# Altium PCB PCB_H-bridge.PcbDoc (continued)
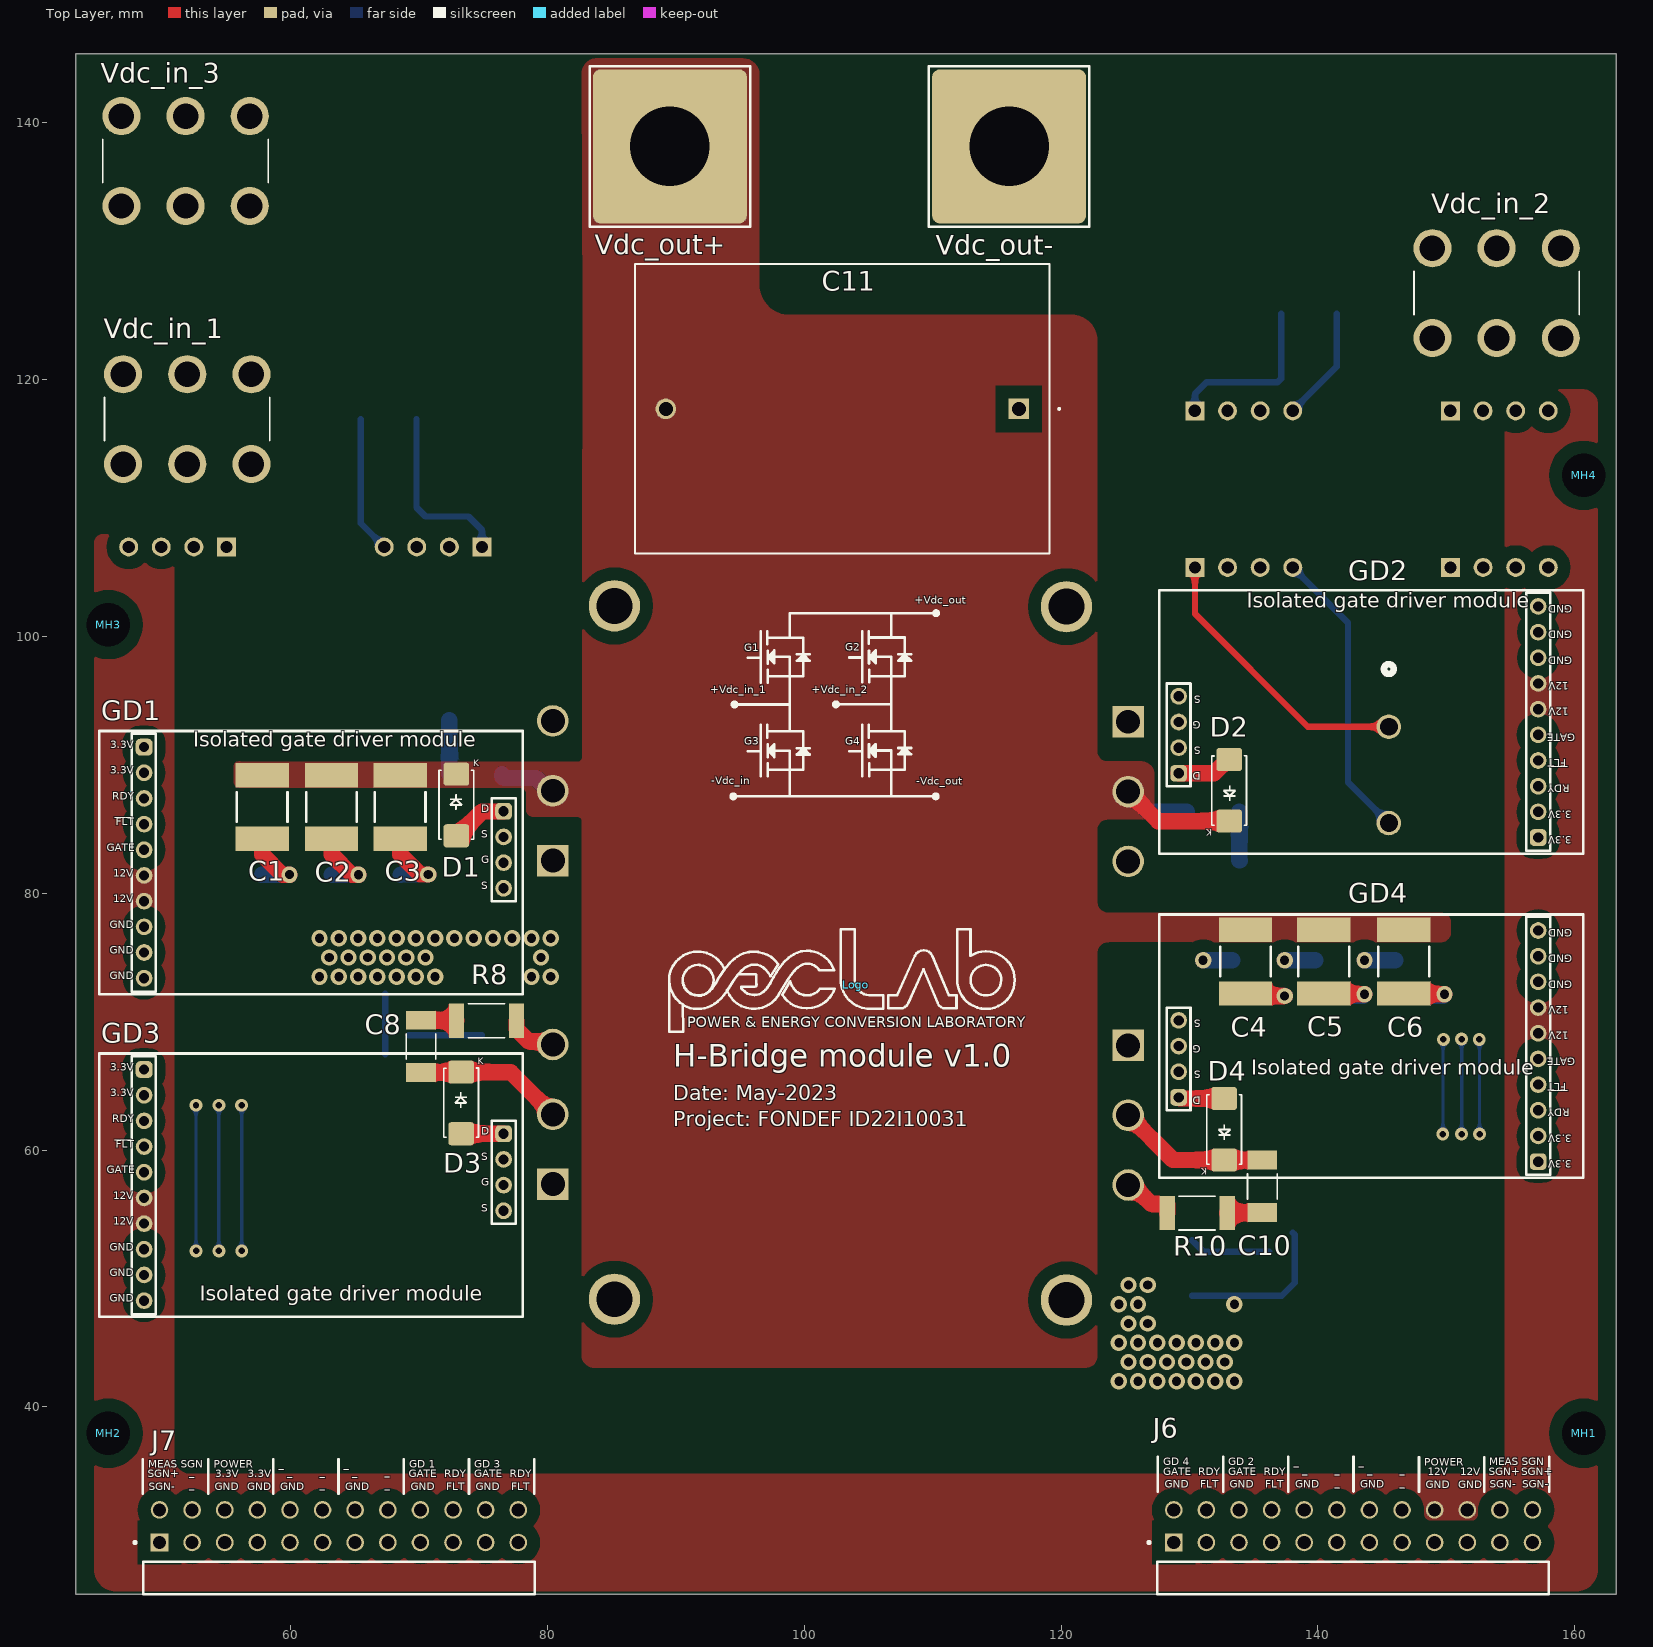
[diagram p0: Top Layer view]
## Components (designator, comment, footprint, x,y, rotation, side; value= is the part's Value field where it differs from the comment) (continued)
FAN "Mech_Fan_60X60" FAN 104.14,45.466 r0 bottom value="Fan 60x60"
GD1 "Isolated gate driver module" CON_ISOLATED_GATE_DRIVER_MODULE 45.081,72.141 r0 top
GD2 "Isolated gate driver module" CON_ISOLATED_GATE_DRIVER_MODULE 160.659,103.595 r180 top
GD3 "Isolated gate driver module" CON_ISOLATED_GATE_DRIVER_MODULE 45.081,47.027 r0 top
GD4 "Isolated gate driver module" CON_ISOLATED_GATE_DRIVER_MODULE 160.659,78.354 r180 top
J1 "CONUFL001-SMD-T" LINX_CONUFL001-SMD-T 67.35,68.95 r270 bottom
J2 "CONUFL001-SMD-T" LINX_CONUFL001-SMD-T 138.05,52.1 r90 bottom
J4 "1766660" CONN_1766660 145.525,85.475 r270 bottom
J6 "TSW-112-08-G-D-NA" SAMTEC_TSW-112-08-G-D-NA 142.748,26.67 r0 top
J7 "TSW-112-08-G-D-NA" SAMTEC_TSW-112-08-G-D-NA 63.754,26.67 r0 top
"LEG 1" "MOSFET_SINK" MOSFET-TO247_LEG_1 85.217,48.387 r90 bottom
"LEG 2" "MOSFET_SINK" MOSFET-TO247_LEG_2 120.422,102.323 r270 bottom
Logo "LOGO PECLAB" "LOGO PECLAB 2" 104.013,72.898 r0 top
Med_Cin1 "Volt_meas_board" Volt_meas_board 62.1,108.575 r180 bottom value=2.54mm
Med_Cin2 "Volt_meas_board" Volt_meas_board 143.225,115.975 r0 bottom value=2.54mm
Med_Voltaje "Volt_meas_board" Volt_meas_board 143.229,103.78 r0 bottom value=2.54mm
MH1 "MH_3.4" MH_3.4#1 160.525,28 r0 top
MH2 "MH_3.4" MH_3.4#2 45.8,27.95 r0 top
MH3 "MH_3.4" MH_3.4#3 45.8,100.925 r0 top
MH4 "MH_3.4" MH_3.4#4 160.7,110.65 r0 top
R1 "RL1632R-R180-F" R_1206 57.75,80.075 r0 bottom
R2 "RL1632R-R180-F" R_1206 63.175,80.075 r0 bottom
R3 "RL1632R-R180-F" R_1206 68.557,80.084 r0 bottom
R4 "RL1632R-R180-F" R_1206 133.35,73.406 r180 bottom
R5 "RL1632R-R180-F" R_1206 139.827,73.406 r180 bottom
R6 "RL1632R-R180-F" R_1206 146.05,73.406 r180 bottom
R7 "Res 2010 4.7 Ohms" RESC5025X70N 74.676,93.472 r180 bottom value="4.7 Ohms"
R8 "Res 2010 4.7 Ohms" RESC5025X70N 75.25,70.075 r180 top value="4.7 Ohms"
R9 "Res 2010 4.7 Ohms" RESC5025X70N 131.572,82.55 r0 bottom value="4.7 Ohms"
R10 "Res 2010 4.7 Ohms" RESC5025X70N 130.6,55.1 r0 top value="4.7 Ohms"
R11 "WSHP2818R0100FEB" RES_WSHP2818_VIS 74.9,71.125 r90 bottom
R12 "WSHP2818R0100FEB" RES_WSHP2818_VIS 130.2,50.8 r270 bottom
R13 "WSHP2818R0100FEB" RES_WSHP2818_VIS 67.625,116.917 r180 bottom
R14 "WSHP2818R0100FEB" RES_WSHP2818_VIS 139.35,125.55 r0 bottom
Vdc_in_1 "TERM SCREW M4" KEYSTONE_7799 51.943,116.931 r0 top value="M4 6 pin PCB"
Vdc_in_2 "TERM SCREW M4" KEYSTONE_7799 153.924,126.746 r0 top value="M4 6 pin PCB"
Vdc_in_3 "TERM SCREW M4" KEYSTONE_7799 51.816,137.033 r180 top value="M4 6 pin PCB"
Vdc_out+ "M6 Pad" "M6 PAD Connector" 89.535,138.176 r0 top
Vdc_out- "M6 Pad" "M6 PAD Connector" 115.951,138.176 r0 top

## Footprints (in the part's own frame and the unit in brackets; to place one, negate y for a bottom-side part, rotate by r counter-clockwise, add the part's x,y. Pads: shape width x height; smd on the part's side, far side on the other; paste and mask are expansions set on the pad)
CAP_1812 [mm] "Chip Capacitor, 2-Leads, Body 6,00x4,00mm, IPC Medium Density"
  rect 1.9x4.15 smd: 1(-2.475,0) 2(2.475,0)
  silkscreen extent -1.15,-1.97 1.15,1.97, body extent -3,-2 3,2, height 1
CAP_C4AQ_B_2_KEM [mil]
  rect 63x63 / inner round 60 / far side rect 63x63 hole 43 paste-31.5 mask+0: 1(0,0)
  round 63 / inner round 60 / far side round 63 hole 43 paste+0 mask+0: 2(1082.68,0)
  silkscreen extent -127,-444 1176,444, body extent -90,-439 1170,439, height 1465
CAPC4520X200N [mm]
  rect 1.47x2.31 smd: 1(-2.042,0) 2(2.042,0)
  silkscreen extent -0.98,-1.15 0.98,1.15, body extent -2.12,-0.89 2.38,1.11, height 2.02
CON_ISOLATED_GATE_DRIVER_MODULE [mm] "10 Position Receptacle Connector 0.079\" (2.00mm) Through Hole Gold"
  rrect50% 1.3x1.3 hole 0.8: 1(3.5,19.25) 11(31.5,14.25)
  round 1.3 hole 0.8: 2(3.5,17.25) 3(3.5,15.25) 4(3.5,13.25) 5(3.5,11.25) 6(3.5,9.25) 7(3.5,7.25) 8(3.5,5.25) 9(3.5,3.25) 10(3.5,1.25) 12(31.5,12.25) 13(31.5,10.25) 14(31.5,8.25)
  silkscreen extent 0,0 33,20.5, body extent 0,0 33,20.5, height 19.5
CONN_1766660 [mil]
  round 75 / inner round 60 / far side round 75 hole 55 paste-37.5 mask+0: 1(-295.28,0) 2(0,0)
  silkscreen extent -487,-157 152,190, body extent -444,-150 144,187, height 472
FAN [mm]
  silkscreen extent -21.42,0 18.78,15, body extent -21.42,0 18.78,15, height 43.86
KEYSTONE_7799 [mm]
  round 2.97 hole 1.98: 1_1(-5,-3.5) 1_2(0,-3.5) 1_3(5,-3.5) 1_4(5,3.5) 1_5(0,3.5) 1_6(-5,3.5)
  silkscreen extent -6.44,-1.7 6.44,1.7
LINX_CONUFL001-SMD-T [mm]
  rect 1x1.05 smd: 1(0,-1.525)
  rect 1.05x2.2 smd: 2(-1.475,0) 3(1.475,0)
  silkscreen extent -1.3,-2.7 1.3,1.42, body extent -1.5,-1.55 1.5,1.55, height 1.3
"LOGO PECLAB 2" [mm]
  silkscreen extent -14.55,-3.67 12.38,4.32
"M6 PAD Connector" [mm]
  rrect10% 12x12 hole 6.2: 1(0,0)
  silkscreen extent -6.25,-6.25 6.25,6.25
MH_3.4#1 [mm]
  round 3.1 hole 3.4 unplated: ""(0.175,9.95)
MH_3.4#2 [mm]
  round 3.1 hole 3.4 unplated: ""(0,10)
MH_3.4#3 [mm]
  round 3.1 hole 3.4 unplated: ""(0,0)
MH_3.4#4 [mm]
  round 3.1 hole 3.4 unplated: ""(0,1.9)
MOSFET-TO247_LEG_1 [mm] "IMW120R020M1H - C40-058-VE"
  rect 2.46x2.46 hole 1.86 paste+0 mask+0: 1(34.16,-4.8) 4(8.96,-4.8)
  round 2.46 hole 1.86 paste+0 mask+0: 2(39.6,-4.8) 3(45.04,-4.8) 5(14.4,-4.8) 6(19.84,-4.8)
  round 4 hole 2.8: NC(0,0) NC(54,0)
  silkscreen extent -2.5,-14.6 56.5,17.4, body extent -2.1,-14.5 55.9,17.5, height 49.31
MOSFET-TO247_LEG_2 [mm] "IMW120R020M1H - C40-058-VE"
  rect 2.46x2.46 hole 1.86 paste+0 mask+0: 1(8.96,-4.8) 4(34.16,-4.8)
  round 2.46 hole 1.86 paste+0 mask+0: 2(14.4,-4.8) 3(19.84,-4.8) 5(39.6,-4.8) 6(45.04,-4.8)
  round 4 hole 2.8: NC(0,0) NC(54,0)
  silkscreen extent -2.4,-14.6 56.4,17.4, body extent -2.1,-14.5 55.9,17.5, height 49.31
R_1206 [mm]
  rect 2x1.25 smd: 1(0.019,1.386) 2(0.019,-1.374)
  silkscreen extent -0.9,-0.51 0.95,0.54, body extent -0.78,-1.56 0.82,1.64, height 1.6
RES_WSHP2818_VIS [mil]
  rect 151x180 smd paste+0 mask+0: 1(-85.5,0) 2(85.5,0)
  body extent -140,-90 140,91, height 59
RESC5025X70N [mm]
  rect 1.2x2.67 smd: 1(-2.335,0) 2(2.335,0)
  silkscreen extent -1.42,-1.32 1.42,1.32, body extent -2.46,-1.25 2.54,1.25, height 0.7
SAMTEC_TSW-112-08-G-D-NA [mm]
  rect 1.37x1.37 / inner round 1.37 / far side rect 1.37x1.37 hole 1.02: 01(-13.97,2.77)
  round 1.37 hole 1.02: 02(-13.97,5.31) 03(-11.43,2.77) 04(-11.43,5.31) 05(-8.89,2.77) 06(-8.89,5.31) 07(-6.35,2.77) 08(-6.35,5.31) 09(-3.81,2.77) 10(-3.81,5.31) 11(-1.27,2.77) 12(-1.27,5.31) 13(1.27,2.77) 14(1.27,5.31) 15(3.81,2.77) 16(3.81,5.31) 17(6.35,2.77) 18(6.35,5.31) 19(8.89,2.77) 20(8.89,5.31) 21(11.43,2.77) 22(11.43,5.31) 23(13.97,2.77) 24(13.97,5.31)
  silkscreen extent -15.99,-1.27 15.24,2.87, body extent -15.24,-7.05 15.24,5.71, height 5.09
SMA [mm] "DO-214AC, SMA"
  rrect25% 2x1.8 smd: A(0,-4.8) K(0,0)
  silkscreen extent -1.35,-5.08 1.35,0.32, body extent -1.42,-5.15 1.37,0.34, height 2.29
Volt_meas_board [mil] "Tarjeta medicion voltaje"
  rect 58x58 / inner round 60 / far side rect 58x58 hole 38 paste-29 mask+0: 1(-503.94,-62.99) 5(279.53,-62.99)
  round 58 / inner round 60 / far side round 58 hole 38 paste-29 mask+0: 2(-403.94,-62.99) 3(-303.94,-62.99) 4(-203.94,-62.99) 6(379.53,-62.99) 7(479.53,-62.99) 8(579.53,-62.99)
  silkscreen extent -697,-165 669,12, body extent -698,-362 667,240, height 1253

## Part data
C1 C2 C3 C4 C5 C6: "Cap Ceramic 470pF 1000V C0G 5% SMD 1812 125°C Embossed Plastic T/R", Capacitance=470pF, Case/Package=1812, Dielectric=C0G, Dielectric Material=Ceramic, Manufacturer=KEMET, Max Operating Temperature=125°C, Min Operating Temperature=-55°C, Supplier Part Number 1=05AC8285, Tolerance=5%, Voltage Rating=1kV, Category="Ceramic Capacitors", Lead Free="Lead Free", Length=0.177inch, Manufacturer Part Number=C1812C471JDGACTU, Mount="Surface Mount", Packaging="Tape and Reel", Pricing 1="1=1,23000, 10=1,18000, 25=1,17000, 50=1,16000, 100=1,16000 (USD)", RoHS=Yes, Stock 1=614, Supplier 1=Newark, Thickness=0.071inch, Voltage Rating (DC)=1kV, Width=0.126inch
C7 C8 C9 C10: library part "CAP CER 680PF 1808", "CAP CER 680PF 2KV C0G/NP0 1808", Package="1808 (4520 Metric)", Availability=Unavailable, MF=KEMET, MP=C1808C681JGGAC7800, Price=None
C11: library part "Cap Film 12.5 uF", "12.5 µF Film Capacitor 800V Polypropylene (PP), Metallized Radial", Mfr_Name=Kemet
D1 D2 D3 D4: library part Diode_1, "Diode Standard 1000 V 1A Surface Mount SMA", Package=SMA, Supplier Part Number 1=1655-1736-1-ND, Created=2021_05_16_EDuran, MF="SMC Diode Solutions", MFP=ES1MTR, Supplier 1=Digi-Key
FAN: "Fan Tubeaxial 12VDC Square - 60mm L x 60mm H Ball 38.4 CFM (1.08m³/min) 2 Wire Leads", Supplier Part Number 1=603-1286-ND, Created=2021_05_07_EDuran, MF="Delta Electronics", MFP=AFB0612EH-AB, Supplier 1=Digi-Key
GD1 GD2 GD3 GD4: library part Con_Isolated_gate_driver_module, "10 + 4 Position Receptacle Connector 0.079\" (2.00mm) Through Hole Gold", MPN 4pos=SMM-104-01-S-S, MPN 10pos=SMM-110-01-S-S, Package="Through Hole, pitch 0.079\" (2.00mm)", Supplier Part Number 1=SAM11825-ND, Created=2021_07_07_DArancibia, MF="Samtec Inc.", Supplier 1=Digi-Key
J1 J2: "U.FL (UMCC) Connector Jack, Male Pin 50Ohm Surface Mount Solder", Package=None, Availability=Unavailable, Check_prices=https://www.snapeda.com/parts/CONUFL001-SMD-T/Linx/view-part/?ref=eda, MF=Linx, MP=CONUFL001-SMD-T, Price=None, SnapEDA_Link=https://www.snapeda.com/parts/CONUFL001-SMD-T/Linx/view-part/?ref=snap
J4: "No Description Available", Mfr_Name="Phoenix Contact", RefDes=RefDes, Type=Type
J6 J7: "Conn Unshrouded Header HDR 24 POS 2.54mm Solder RA Side Entry Thru-Hole Bulk", Package=None, Availability="In Stock", Check_prices=https://www.snapeda.com/parts/TSW-112-08-G-D-NA/Samtec/view-part/?ref=eda, MF=Samtec, MP=TSW-112-08-G-D-NA, Price=None, Purchase-URL=https://pricing.snapeda.com/search/part/TSW-112-08-G-D-NA/?ref=eda, SnapEDA_Link=https://www.snapeda.com/parts/TSW-112-08-G-D-NA/Samtec/view-part/?ref=snap
"LEG 1" "LEG 2": library part MOSFET_2_SINK_LEG_2, Part Number DK=C40-058-VE-ND
Med_Cin1 Med_Cin2 Med_Voltaje: "Tarjeta de medicion de voltaje con conector receptor 4 pos 2.54mm", Package="4 pos", MF="Harwin Inc", MP=M20-7820446
MH1 MH2 MH3 MH4: library part "Mounting Hole", "Non plated through hole"
R1 R2 R3 R4 R5 R6: "Res Thin Film 1206 0.18 Ohm 1% 0.5W(1/2W) 0ppm/C to 100ppm/C Molded SMD Automotive T/R", Case Code (Imperial)=1206, Case Code (Metric)=3216, Manufacturer=Susumu, Max Operating Temperature=125°C, Max Power Dissipation=500mW, Min Operating Temperature=-55°C, Package Quantity=1, Resistance=180mR, Resistance Tolerance=1%, Resistor Type="Thin Film", Supplier Part Number 1=RL16R.18FCT-ND, Temperature Coefficient=100ppm/°C, Case/Package=1206, Category="Chip SMD Resistors", ComponentLink1Description=https://datasheet.ciiva.com/12913/e-15-16-12913646.pdf?src-supplier=Mouser, ComponentLink1URL=https://datasheet.ciiva.com/12913/e-15-16-12913646.pdf?src-supplier=Mouser, ComponentLink2Description=https://datasheet.ciiva.com/2490/rl-data-sheet-2490371.pdf?src-supplier=Digi-Key, ComponentLink2URL=https://datasheet.ciiva.com/2490/rl-data-sheet-2490371.pdf?src-supplier=Digi-Key, ComponentLink3Description=https://datasheet.ciiva.com/2490/rl-data-sheet-2490370.pdf?src-supplier=Digi-Key, ComponentLink3URL=https://datasheet.ciiva.com/2490/rl-data-sheet-2490370.pdf?src-supplier=Digi-Key, ComponentLink4Description=https://datasheet.ciiva.com/2490/rl-data-sheet-2490372.pdf?src-supplier=Digi-Key, ComponentLink4URL=https://datasheet.ciiva.com/2490/rl-data-sheet-2490372.pdf?src-supplier=Digi-Key, Height=0.026inch, Lead Free="Lead Free", Length=0.126inch, Manufacturer Part Number=RL1632R-R180-F, Number of Pins=2, Number of Terminations=2, Packaging="Cut Tape", Power Rating=500mW, Pricing 1="1=0,59000, 10=0,42400, 25=0,33080, 50=0,28000, 100=0,22060, 250=0,18664, 500=0,15272, 1000=0,11878 (USD)", REACH SVHC=Unknown, RoHS=No, Series=RL, Size Code=1206, Stock 1=112939, Supplier 1=Digi-Key, Technology="THIN FILM", Termination=SMD/SMT, Tolerance=1%, Weight=0.000571oz, Width=0.063inch
R7 R8 R9 R10: "4.7 Ohms ±5% 1W Chip Resistor 2010 (5025 Metric) Automotive AEC-Q200, Pulse Withstanding Thick Film", Package="2010 (5025 Metric)", Availability=Unavailable, MF="Vishay Dale", MP=CRCW20104R70JNEFHP, Price=None
R11 R12 R13 R14: "Current Sense Resistors - SMD 10watt .01ohm 1% AEC-Q200", Mfr_Name=Vishay
Vdc_in_1 Vdc_in_2 Vdc_in_3: "M4 Snap In PC Mount 30Amp-w Screw Unassembled", Package=None, Availability="In Stock", Check_prices=https://www.snapeda.com/parts/7799/Keystone/view-part/?ref=eda, MF=Keystone, MP=7799, Price=None, Purchase-URL=https://pricing.snapeda.com/search/part/7799/?ref=eda, SnapEDA_Link=https://www.snapeda.com/parts/7799/Keystone/view-part/?ref=snap
Vdc_out+ Vdc_out-: library part Con_Pad_M6, "Pad M6", Created=2021_07_09_DArancibia

## Via types
v1: diameter 1.27, hole 0.711, Top Layer to Bottom Layer, tented both sides, 65 vias
v2: diameter 1, hole 0.5, Top Layer to Bottom Layer, tented both sides, 12 vias

## Nets (pads, with @x,y where several pads share a name; then routed paths per layer and width w, separated by ;. In a path a pad name is that pad's centre, name@x,y a point inside that pad or via, vN(x,y) a via of type N, cw(c..) or ccw(c..) an arc to the next point about the centre after c; other vN are vias at no path point)
3.3V: GD1.1 GD1.2 GD2.1 GD2.2 GD3.1 GD3.2 GD4.1 GD4.2 J7.06 J7.08 Med_Cin1.7 Med_Cin2.7 Med_Voltaje.7
12V: GD1.6 GD1.7 GD2.6 GD2.7 GD3.6 GD3.7 GD4.6 GD4.7 J6.18 J6.20
Drain1: D1.A GD1.11 | length 4.5
  Top Layer w1.27: D1.A 72.998,84.481 74.893,86.376 76.566,86.376 GD1.11
Drain2: D2.A GD2.11 | length 4.4
  Top Layer w1.27: GD2.11 131.917,89.345 132.996,90.424 D2.A
Drain3: D3.A GD3.11 | length 3.3
  Top Layer w1.27: D3.A 73.276,61.276 76.58,61.276 GD3.11
Drain4: D4.A GD4.11 | length 3.6
  Top Layer w1.27: GD4.11 129.238,64.025 D4.A
Fault_1: GD1.4 J7.19 | length 65.9
  Vcc w0.254: GD1.4 52.832,81.14 52.832,65.071 v2(54.403,63.5) ; v2(54.408,52.15) 54.408,49.478 71.477,32.409 71.477,31.266 72.474,30.269 72.474,29.61 J7.19
  Bottom Layer w0.254: v2(54.403,63.5) 54.406,63.497 54.406,52.152 v2(54.408,52.15)
Fault_2: GD2.4 J6.07 | length 75.9
  Vcc w0.254: J6.07@136.673,29.162 135.128,30.707 135.128,32.878 136.95,34.7 145.45,34.7 151.2,40.45 v2(151.2,61.25) ; v2(151.2,68.65) 154.375,71.825 154.375,87.561 GD2.4
  Bottom Layer w0.254: v2(151.2,61.25) v2(151.2,68.65)
Fault_3: GD3.4 J7.23 | length 48.8
  Vcc w0.254: GD3.4 48.748,60.11 58.79,60.11 76.196,42.704 76.196,32.077 77.724,30.549 J7.23
Fault_4: GD4.4 J6.03 | length 57.4
  Vcc w0.254: J6.03 130.048,30.71 130.048,34.298 134.275,38.525 142.925,38.525 145.375,40.975 145.375,61.625 148.854,65.104 GD4.4
Gate1: "LEG 1.1" GD1.13 | length 3.9
  Vcc w1.27: GD1.13 cw(c76.737,82.391) 76.737,82.547 80.417,82.547
Gate2: "LEG 2.1" GD2.13 | length 3.9
  Vcc w1.27: 125.222,93.363 ccw(c125.24,93.363) 125.24,93.345 GD2.13
Gate3: "LEG 1.4" GD3.13 | length 3.9
  Vcc w1.27: GD3.13 76.587,57.283 80.353,57.283 80.417,57.347
Gate4: "LEG 2.4" GD4.13 | length 4
  Vcc w1.27: 125.222,68.163 129.092,68.163 129.151,68.104 GD4.13
Gate_1: GD1.5 J7.18 | length 60.3
  Vcc w0.254: GD1.5 51.435,80.537 51.435,64.69 v2(52.625,63.5) ; v2(52.63,52.15) 52.63,49.454 J7.18
  Bottom Layer w0.254: v2(52.625,63.5) 52.628,63.497 52.628,52.152 v2(52.63,52.15)
Gate_2: GD2.5 J6.06 | length 75.3
  Vcc w0.254: J6.06 134.072,32.194 134.072,34.097 135.85,35.875 144.8,35.875 149.725,40.8 v2(149.725,61.25) ; v2(149.781,68.625) 153.35,72.194 153.35,88.536 GD2.5
  Bottom Layer w0.254: v2(149.725,61.25) 149.753,61.278 149.753,68.597 v2(149.781,68.625)
Gate_3: GD3.5 J7.22 | length 42.7
  Vcc w0.254: GD3.5 57.767,58.277 75.014,41.03 75.014,32.15 J7.22
Gate_4: GD4.5 J6.02 | length 56.6
  Vcc w0.254: J6.02 128.778,34.853 133.875,39.95 142,39.95 143.891,41.841 143.891,62.266 148.729,67.104 GD4.5
GD_source1: "LEG 1.3" "LEG 1.5" C8.2 D3.K GD1.12 GD1.14 Med_Cin1.1 R7.1 R13.1 | length 25.6
  Top Layer w1.27: C8.2 70.171,66.054 73.254,66.054 D3.K 77.129,66.075 80.417,62.787
  Bottom Layer w0.5: R13.1 69.797,110.053 70.5,109.35 73.85,109.35 74.895,108.305 Med_Cin1.1@74.895,107
GD_source2: "LEG 2.3" "LEG 2.5" C10.2 D4.K GD2.12 GD2.14 Med_Cin2.1 R9.1 R14.1 | length 25.5
  Top Layer w1.27: 125.222,62.723 128.72,59.225 D4.K 132.704,59.221 135.671,59.221 C10.2
  Bottom Layer w0.5: Med_Cin2.1@130.429,117.6 130.429,118.904 131.325,119.8 136.854,119.8 137.147,120.093 R14.1@137.147,125.15
GD_source3: "LEG 1.6" GD3.12 GD3.14 J1.1 R8.1 R11.1 | length 9.7
  Top Layer w1.27: R8.1 77.585,69.41 78.54,68.455 80.189,68.455 80.417,68.227
  Bottom Layer w0.5: J1.1@69.2,68.95 74.897,68.95 R11.1
GD_source4: "LEG 2.6" GD4.12 GD4.14 J2.1 R10.1 R12.1 | length 10.7
  Top Layer w1.27: 125.222,57.283 125.544,57.283 127.027,55.8 128.23,55.8 128.265,55.765 R10.1
  Bottom Layer w0.5: R12.1 131.072,52.1 J2.1@136.225,52.1
GND: GD1.8 GD1.9 GD1.10 GD2.8 GD2.9 GD2.10 GD3.8 GD3.9 GD3.10 GD4.8 GD4.9 GD4.10 J6.01 J6.05 J6.09 J6.13 J6.17 J6.19 J7.05 J7.07 J7.09 J7.13 J7.17 J7.21 Med_Cin1.8 Med_Cin2.8 Med_Voltaje.8
Im1_N: J7.01 Med_Cin1.6 | length 84.9
  Vcc w0.254: J7.01 49.652,29.572 49.652,30.307 49.503,30.456 49.082,30.456 48.21,31.328 48.21,35.579 49.311,36.679 49.311,40.596 44.601,45.305 44.601,93.951 53.479,102.829 53.479,105.969 Med_Cin1.6@52.463,106.985
Im1_P: J7.02 Med_Cin1.5 | length 84.1
  Vcc w0.254: J7.02 49.652,31.848 49.652,31.113 49.503,30.964 49.292,30.964 48.718,31.538 48.718,35.368 49.819,36.469 49.819,40.806 45.109,45.516 45.109,93.741 53.987,102.619 53.987,105.969 Med_Cin1.5@55.003,106.985
Im2_N: J6.23 Med_Cin2.6 | length 98.8
  Vcc w0.254: Med_Cin2.6@152.869,117.6 151.853,116.584 151.853,112.922 154.675,110.1 159.143,110.1 162.383,106.86 162.383,44.765 157.534,39.916 157.534,36.168 158.292,35.41 158.292,31.328 157.42,30.456 156.999,30.456 156.85,30.307 156.85,29.572 J6.23
Im2_P: J6.24 Med_Cin2.5 | length 97.9
  Vcc w0.254: Med_Cin2.5@150.329,117.6 151.345,116.584 151.345,112.712 154.465,109.592 158.933,109.592 161.875,106.65 161.875,44.975 157.026,40.126 157.026,35.957 157.784,35.199 157.784,31.538 157.21,30.964 156.999,30.964 156.85,31.113 156.85,31.848 J6.24
NetC1_2: C1.2 R1.2 | length 6.2
  Top Layer w1.27: C1.2 57.775,83.025 59.341,81.459 v1(59.909,81.459)
  Bottom Layer w1.27: R1.2 57.779,81.459 v1(59.909,81.459)
NetC2_2: C2.2 R2.2 | length 6.1
  Top Layer w1.27: C2.2 63.175,83.025 64.751,81.449 v1(65.274,81.449)
  Bottom Layer w1.27: R2.2 v1(65.274,81.449)
NetC3_2: C3.2 R3.2 | length 6.2
  Top Layer w1.27: C3.2 68.525,83.025 70.082,81.468 v1(70.711,81.468)
  Bottom Layer w1.27: R3.2 68.586,81.468 v1(70.711,81.468)
NetC4_2: C4.2 R4.2 | length 7.2
  Top Layer w1.27: C4.2@134.366,72.074 134.431,72.009 v1(137.414,72.009)
  Bottom Layer w1.27: R4.2 137.391,72.032 v1(137.414,72.009)
NetC5_2: C5.2 R5.2 | length 6.9
  Top Layer w1.27: C5.2@140.589,72.136 v1(143.637,72.136)
  Bottom Layer w1.27: R5.2 143.533,72.032 v1(143.637,72.136)
NetC6_2: C6.2 R6.2 | length 6.9
  Top Layer w1.27: C6.2@146.793,72.136 v1(149.86,72.136)
  Bottom Layer w1.27: R6.2 149.756,72.032 v1(149.86,72.136)
NetC7_1: C7.1 R7.2 | length 4.2
  Bottom Layer w1.27: R7.2 72.361,93.453 72.361,89.3 C7.1
NetC8_1: C8.1 R8.2 | length 2.8
  Top Layer w1.27: C8.1 70.171,70.096 72.894,70.096 R8.2
NetC9_1: C9.1 R9.2 | length 3.8
  Bottom Layer w1.27: C9.1 133.887,86.341 133.887,82.569 R9.2
NetC10_1: C10.1 R10.2 | length 2.8
  Top Layer w1.27: R10.2 132.952,55.117 135.658,55.117 C10.1
Ready_1: GD1.3 J7.20 | length 65.4
  Vcc w0.254: GD1.3 54.229,81.743 54.229,65.452 v2(56.181,63.5) ; v2(56.186,52.15) 56.186,49.351 72.474,33.063 72.474,32.15 J7.20
  Bottom Layer w0.254: v2(56.181,63.5) 56.184,63.497 56.184,52.152 v2(56.186,52.15)
Ready_2: GD2.3 J6.08 | length 69.7
  Vcc w0.254: J6.08 138.243,33.825 146.25,33.825 152.6,40.175 v2(152.6,61.25) ; v2(152.575,68.625) 155.328,71.378 155.328,86.514 GD2.3
  Bottom Layer w0.254: v2(152.575,68.625) 152.588,68.613 152.588,61.263 v2(152.6,61.25)
Ready_3: GD3.3 J7.24 | length 48.8
  Vcc w0.254: GD3.3 48.781,62.077 59.823,62.077 77.529,44.371 77.529,32.175 J7.24
Ready_4: GD4.3 J6.04 | length 51.7
  Vcc w0.254: J6.04 131.318,33.393 134.975,37.05 143.65,37.05 146.814,40.214 146.814,60.889 149.029,63.104 GD4.3
V_ext: J4.1 Med_Voltaje.1 | length 22.3
  Top Layer w0.5: Med_Voltaje.1 130.429,101.771 139.225,92.975 J4.1
V_ext_2: J4.2 Med_Voltaje.4 | length 23
  Bottom Layer w0.5: Med_Voltaje.4 142.35,101.079 142.35,88.65 J4.2
Vdc_IN_1: Med_Cin1.4 R13.2 Vdc_in_1.1_1 Vdc_in_1.1_2 Vdc_in_1.1_3 Vdc_in_1.1_4 Vdc_in_1.1_5 Vdc_in_1.1_6 | length 10.7
  Bottom Layer w0.5: R13.2 65.453,108.822 Med_Cin1.4@67.275,107
Vdc_IN_2: Med_Cin2.4 R14.2 Vdc_in_2.1_1 Vdc_in_2.1_2 Vdc_in_2.1_3 Vdc_in_2.1_4 Vdc_in_2.1_5 Vdc_in_2.1_6 | length 9
  Bottom Layer w0.5: Med_Cin2.4@138.049,117.6 141.475,121.026 R14.2@141.475,125.15
Vdc_IN_3: C11.1 J1.2 J1.3 J2.2 J2.3 R1.1 R2.1 R3.1 R4.1 R5.1 R6.1 R11.2 R12.2 Vdc_in_3.1_1 Vdc_in_3.1_2 Vdc_in_3.1_3 Vdc_in_3.1_4 Vdc_in_3.1_5 Vdc_in_3.1_6 Vdc_out-.1 | length 24.2
  Bottom Layer w0.5: J1.3 J1.2 67.35,72.175 ; R12.2@130.2,48.653 137.178,48.653 138.2,49.675 138.2,53.425 J2.3
  Bottom Layer w1.27: v1@131.064,74.803 v1(131.064,74.792) R4.1 ; v1@137.414,74.803 v1(137.414,74.792) R5.1 ; v1@143.637,74.803 v1(143.637,74.792) R6.1
  other v1: 124.5,42 126,42 127.5,42 129,42 130.5,42 132,42 133.5,42 125.25,43.5 126.75,43.5 128.25,43.5 129.75,43.5 131.25,43.5 132.75,43.5 124.5,45 126,45 127.5,45 129,45 130.5,45 132,45 133.5,45 125.25,46.5 126.75,46.5 124.5,48 126,48 133.5,48 125.25,49.5 126.75,49.5 62.25,73.5 63.75,73.5 65.25,73.5 66.75,73.5 68.25,73.5 69.75,73.5 71.25,73.5 78.75,73.5 80.25,73.5 63,75 64.5,75 66,75 67.5,75 69,75 70.5,75 79.5,75 62.25,76.5 63.75,76.5 65.25,76.5 66.75,76.5 68.25,76.5 69.75,76.5 71.25,76.5 72.75,76.5 74.25,76.5 75.75,76.5 77.25,76.5 78.75,76.5 80.25,76.5
Vdc_OUT_1: "LEG 1.2" "LEG 2.2" C1.1 C2.1 C3.1 C4.1 C5.1 C6.1 C7.2 C9.2 C11.2 D1.K D2.K Vdc_out+.1 | length 18.7
  Top Layer w1.27: 125.222,87.959 127.557,85.624 D2.K
  Bottom Layer w1.27: C7.2 76.464,89.078 76.564,88.978 79.104,88.978 80.16,87.923 80.482,87.923 ; 125.222,87.923 126.785,86.36 C9.2
Vm_N: J6.21 Med_Voltaje.6 | length 92.3
  Vcc w0.254: Med_Voltaje.6 152.628,105.621 152.002,105.621 151.853,105.77 151.853,105.98 154.223,108.35 158.225,108.35 160.225,106.35 160.225,45.6 152.65,38.025 152.65,32.047 154.178,30.519 J6.21
Vm_P: J6.22 Med_Voltaje.5 | length 91.6
  Vcc w0.254: Med_Voltaje.5 150.57,105.621 151.196,105.621 151.345,105.77 151.345,106.191 154.012,108.858 158.435,108.858 160.733,106.56 160.733,45.39 153.158,37.815 153.158,32.257 153.307,32.108 154.05,32.108 J6.22
pads on no net: "LEG 1.NC" "LEG 2.NC" J6.10 J6.11 J6.12 J6.14 J6.15 J6.16 J7.03 J7.04 J7.10 J7.11 J7.12 J7.14 J7.15 J7.16 Med_Cin1.2 Med_Cin1.3 Med_Cin2.2 Med_Cin2.3 Med_Voltaje.2 Med_Voltaje.3 MH1. MH2. MH3. MH4.

## Polygon pours and split planes (outlines as drawn)
GND on Gnd "Gnd-GND" (solid, pour order 148): 160.02,25.654 ccw(c160.147,27.305) 161.798,27.178 161.798,118.11 ccw(c160.655,118.11) 160.655,119.253 155.702,119.253 ccw(c155.702,118.11) 154.559,118.11 154.559,36.048 cw(c153.299,36.048) 153.299,34.788 52.187,34.788 cw(c52.187,36.048) 50.927,36.048 50.927,107.315 ccw(c50.292,107.315) 50.292,107.95 45.339,107.95 ccw(c45.338,107.316) 44.704,107.316 44.704,27.305 ccw(c46.355,27.305) 46.355,25.654 142.471,25.654
Vdc_IN_3 on Gnd "Vcc-Vdc_IN_3" (solid, pour order 135): 82.701,70.656 82.701,44.044 ccw(c83.717,44.044) 83.717,43.028 111.781,43.028 cw(c111.782,36.456) 114.724,42.333 116.774,41.308 ccw(c117.452,42.666) 117.452,41.148 134.352,41.148 ccw(c134.352,41.645) 134.85,41.646 134.85,50.077 ccw(c134.353,50.078) 134.352,50.575 124.3,50.575 ccw(c124.3,49.707) 123.431,49.706 123.431,48.323 121.788,51.004 ccw(c122.16,51.611) 122.575,51.033 ccw(c122.215,51.535) 122.833,51.535 122.833,73.306 cw(c123.444,73.303) 123.444,73.914 149.733,73.914 ccw(c149.733,74.549) 150.368,74.549 150.368,74.803 ccw(c149.607,74.804) 149.606,75.565 123.317,75.565 cw(c123.317,76.049) 122.833,76.047 122.833,144.04 ccw(c121.817,144.041) 121.817,145.056 110.133,145.056 ccw(c110.132,144.041) 109.117,144.041 109.117,127.167 cw(c106.748,127.184) 106.76,124.816 89.058,124.816 cw(c89.058,129.882) 86.028,125.822 64.744,141.705 ccw(c60.075,135.452) 60.073,143.256 45.883,143.256 ccw(c45.882,141.66) 44.286,141.659 44.286,131.489 ccw(c45.854,131.489) 45.854,129.921 57.84,129.921 cw(c57.842,124.541) 61.115,128.81 81.565,113.138 cw(c79.806,110.839) 82.701,110.838 82.701,78.613 cw(c81.933,78.619) 81.932,77.851 61.684,77.851 ccw(c61.683,77.357) 61.189,77.356 61.189,71.92 ccw(c61.684,71.92) 61.684,71.425 81.932,71.425 cw(c81.925,70.65)
Vdc_IN_3 on Bottom Layer "VDC_IN_3_L04_P094" (solid, pour order 94): 123.571,41.656 ccw(c124.079,41.656) 124.079,41.148 134.342,41.148 ccw(c134.342,41.656) 134.85,41.656 134.85,50.077 ccw(c134.342,50.078) 134.342,50.585 124.079,50.585 ccw(c124.078,50.078) 123.571,50.077
Vdc_IN_3 on Bottom Layer "Bottom Layer-Vdc_IN_3" (solid, pour order 95): 56.475,78.05 ccw(c56.75,78.05) 56.75,77.775 60.755,77.775 cw(c60.756,77.343) 61.187,77.343 61.187,71.887 ccw(c61.666,71.879) 61.675,71.4 81.019,71.4 ccw(c81.019,72.042) 81.661,72.042 81.661,77.343 ccw(c81.153,77.343) 81.019,77.833 70.417,77.833 cw(c70.471,78.504) 69.8,78.45 69.8,79.175 ccw(c69.525,79.175) 69.525,79.45 56.75,79.45 ccw(c56.75,79.175) 56.475,79.175
3.3V on Bottom Layer "Bottom Layer-3.3V" (solid, pour order 137): 44.704,27.305 ccw(c46.355,27.305) 46.355,25.654 160.274,25.654 ccw(c160.147,27.305) 161.798,27.432 161.798,118.11 ccw(c160.655,118.11) 160.655,119.253 155.702,119.253 ccw(c155.702,118.11) 154.559,118.11 154.559,36.048 cw(c153.299,36.048) 153.299,34.788 52.187,34.788 cw(c52.187,36.048) 50.927,36.048 50.927,107.315 ccw(c50.292,107.315) 50.292,107.95 45.339,107.95 ccw(c45.339,107.315) 44.704,107.315
GD_source4 on Bottom Layer "GD_SOURCE4_L04_P099" (solid, pour order 99): 124.611,51.075 132.45,51.075 ccw(c132.45,51.861) 133.236,51.861 133.236,70.437 ccw(c132.45,70.437) 132.45,71.223 124.611,71.223 ccw(c124.613,70.435) 123.825,70.437 123.825,51.861 ccw(c124.611,51.861)
GD_source3 on Bottom Layer "GD_SOURCE3_L04_P098" (solid, pour order 98): 72.65,70.875 ccw(c72.65,70.234) 72.009,70.234 72.009,54.366 ccw(c72.65,54.366) 72.65,53.725 81.147,53.725 ccw(c81.147,54.366) 81.788,54.366 81.788,70.234 ccw(c81.147,70.234) 81.147,70.875
GD_source1 on Bottom Layer "Bottom Layer-GD_source1" (solid, pour order 96): 67.875,111.709 ccw(c68.84,111.709) 68.84,110.744 81.98,110.744 cw(c81.98,110.047) 82.678,110.047 82.676,96.146 cw(c81.98,96.145) 81.98,95.45 76.799,95.45 ccw(c76.799,94.724) 76.073,94.724 76.073,92.151 ccw(c76.798,92.15) 76.799,91.425 81.98,91.425 cw(c81.98,90.728) 82.677,90.728 82.674,85.419 cw(c81.98,85.419) 81.98,84.725 75.6,84.725 ccw(c75.6,83.925) 74.8,83.925 74.8,80 ccw(c75.6,80) 75.6,79.2 81.98,79.2 cw(c81.98,78.506) 82.674,78.506 82.677,78.003 ccw(c82.691,78.003) 82.677,78.002 82.676,65.278 82.677,65.242 cw(c82.042,65.241) 82.042,64.607 78.74,64.607 ccw(c78.74,63.972) 78.105,63.972 78.104,63.881 78.104,61.468 ccw(c78.775,61.468) 78.776,60.797 94.07,60.797 ccw(c94.07,61.842) 94.222,60.808 97.409,60.808 ccw(c97.409,63.347) 99.949,63.348 99.949,120.65 ccw(c97.409,120.651) 97.409,123.19 68.84,123.19 ccw(c68.84,122.225) 67.875,122.225
GD_source2 on Bottom Layer "Bottom Layer-GD_source2" (solid, pour order 97): 137.96,120.904 ccw(c137.96,122.044) 139.1,122.044 139.1,128.4 ccw(c137.96,128.4) 137.96,129.54 108.223,129.54 ccw(c108.223,127.001) 105.683,127.001 105.683,63.38 ccw(c108.223,63.38) 108.223,60.84 111.258,60.84 ccw(c111.379,61.855) 111.379,60.833 126.746,60.833 ccw(c126.746,61.468) 127.381,61.468 127.381,64.008 ccw(c126.746,64.008) 126.746,64.643 123.444,64.643 cw(c123.444,65.278) 122.809,65.278 122.809,79.883 cw(c123.444,79.883) 123.444,80.518 129.794,80.518 ccw(c129.794,81.153) 130.429,81.153 130.429,83.693 ccw(c129.794,83.693) 129.794,84.328 123.444,84.328 cw(c123.444,84.963) 122.809,84.963 122.809,90.39 cw(c123.492,90.342) 123.444,91.025 130.1,91.025 ccw(c130.1,91.95) 131.025,91.95 131.025,95.85 ccw(c130.1,95.85) 130.1,96.775 123.444,96.775 cw(c123.49,97.456) 122.809,97.41 122.809,120.269 cw(c123.444,120.269) 123.444,120.904
Vdc_IN_2 on Bottom Layer "Bottom Layer-Vdc_IN_2" (solid, pour order 90): 139.625,130.937 cw(c140.688,130.89) 140.641,131.953 160.274,131.953 cw(c160.274,130.937) 161.29,130.937 161.29,122.555 cw(c160.274,122.555) 160.274,121.539 140.641,121.539 cw(c140.688,122.602) 139.625,122.555
Vdc_IN_1 on Bottom Layer "Bottom Layer-Vdc_IN_1" (solid, pour order 88): 66.323,123.154 45.176,123.154 ccw(c45.175,122.174) 44.195,122.174 44.195,111.76 ccw(c45.23,111.742) 45.212,110.708 66.323,110.708 ccw(c66.323,111.76) 67.375,111.76 67.375,122.174 ccw(c66.399,122.181)
12V on Top Layer "Top Layer-12V" (solid, pour order 136): 44.704,107.315 44.704,27.305 ccw(c46.355,27.305) 46.355,25.654 160.147,25.654 ccw(c160.147,27.305) 161.798,27.305 161.798,118.11 ccw(c160.655,118.11) 160.655,119.253 155.702,119.253 ccw(c155.701,118.111) 154.559,118.111 154.559,118.11 154.559,36.048 154.559,36.047 cw(c153.3,36.047) 153.299,34.788 52.187,34.788 cw(c52.187,36.048) 50.927,36.048 50.927,107.315 ccw(c50.292,107.315) 50.292,107.95 45.339,107.95 ccw(c45.338,107.316) 44.704,107.316
Vdc_OUT_1 on Top Layer "Top Layer-Vdc_OUT_1" (solid, pour order 119): 78.867,85.969 82.296,85.969 cw(c82.28,85.564) 82.685,85.576 82.677,43.942 ccw(c83.63,44.006) 83.566,43.053 121.92,43.053 ccw(c121.926,43.936) 122.809,43.942 122.811,75.313 cw(c123.698,75.313) 123.698,76.2 149.606,76.2 ccw(c149.606,76.961) 150.368,76.962 150.368,77.724 ccw(c149.607,77.725) 149.606,78.486 123.698,78.486 cw(c123.7,79.377) 122.809,79.375 122.811,85.02 cw(c123.571,84.963) 123.571,85.725 126.238,85.725 ccw(c126.238,86.741) 127.254,86.741 127.254,89.281 ccw(c126.238,89.281) 126.238,90.297 123.571,90.297 cw(c123.57,91.058) 122.811,91.002 122.811,123.063 ccw(c120.841,123.076) 120.853,125.046 98.853,125.046 cw(c98.86,127.416) 96.49,127.399 96.49,143.891 ccw(c95.236,143.78) 95.123,145.034 83.82,145.034 ccw(c83.819,143.892) 82.677,143.892 82.677,143.891 82.739,124.987 82.692,90.556 ccw(c82.694,90.554) 82.692,90.555 82.692,90.556 cw(c82.391,90.559) 82.39,90.258 56.055,90.297 ccw(c56.025,89.83) 55.558,89.8 55.558,88.692 ccw(c56.044,88.692) 56.044,88.206 77.916,88.206 cw(c77.916,87.763) 78.359,87.762 78.359,86.487 ccw(c78.872,86.482)
Vdc_IN_3 on Vcc "Vcc-Vdc_IN_3" (solid, pour order 122): 82.701,70.652 82.701,44.044 ccw(c83.717,44.044) 83.717,43.028 111.781,43.028 cw(c111.783,36.457) 114.724,42.333 116.774,41.308 ccw(c117.452,42.666) 117.452,41.148 134.342,41.148 ccw(c134.342,41.656) 134.85,41.656 134.85,50.077 ccw(c134.353,50.078) 134.352,50.575 124.3,50.575 ccw(c124.3,49.707) 123.431,49.706 123.431,48.323 121.788,51.004 ccw(c122.16,51.611) 122.575,51.033 ccw(c122.215,51.535) 122.833,51.535 122.833,73.306 cw(c123.444,73.303) 123.444,73.914 149.733,73.914 ccw(c149.733,74.549) 150.368,74.549 150.368,74.803 ccw(c149.607,74.804) 149.606,75.565 123.317,75.565 cw(c123.317,76.049) 122.833,76.047 122.833,144.04 ccw(c121.818,144.041) 121.817,145.056 110.133,145.056 ccw(c110.131,144.042) 109.117,144.041 109.117,127.167 cw(c106.748,127.184) 106.76,124.816 89.058,124.816 cw(c89.058,129.882) 86.028,125.822 64.744,141.705 ccw(c60.075,135.453) 60.073,143.256 45.883,143.256 ccw(c45.882,141.66) 44.286,141.659 44.286,131.489 ccw(c45.854,131.489) 45.854,129.921 57.84,129.921 cw(c57.842,124.542) 61.115,128.81 81.565,113.138 cw(c79.806,110.839) 82.701,110.838 82.701,78.613 cw(c81.933,78.619) 81.932,77.851 61.695,77.851 ccw(c61.694,77.344) 61.187,77.343 61.187,71.933 ccw(c61.695,71.932) 61.695,71.425 81.928,71.425 cw(c81.922,70.646)

## Other copper
Top Layer:
  pour cut-out: 147.381,33.337 147.442,30.705 ccw(c147.671,30.71) 147.671,30.481 153.065,30.481 ccw(c153.065,30.71) 153.294,30.71 153.292,30.736 153.022,33.113 152.493,32.156 152.493,31.668 cw(c151.95,31.668) 151.95,31.125 148.825,31.125 cw(c148.825,31.707) 148.243,31.707 148.243,32.156
Gnd:
  pour cut-out: 142.459,28.205 143.171,29.44 143.171,29.846 cw(c143.612,29.846) 143.612,30.287 144.488,30.287 cw(c144.488,29.91) 144.865,29.91 144.865,29.44 145.633,28.152 145.59,30.579 ccw(c145.372,30.646) 145.371,30.875 142.675,30.866 142.674,30.866 ccw(c142.675,30.637) 142.447,30.636
  pour cut-out: 147.526,28.201 148.251,29.44 148.251,29.801 cw(c148.737,29.801) 148.737,30.287 152.038,30.287 cw(c152.038,29.84) 152.485,29.84 152.485,29.44 153.256,28.151 153.209,30.641 153.209,30.642 ccw(c152.981,30.637) 152.985,30.866 152.984,30.866 147.811,30.96 ccw(c147.807,30.731) 147.578,30.736 147.578,30.735
  pour cut-out: 137.393,28.228 138.091,29.439 138.091,29.866 cw(c138.512,29.866) 138.512,30.287 139.388,30.287 cw(c139.388,29.89) 139.785,29.89 139.785,29.439 140.632,28.106 140.5,30.805 ccw(c140.272,30.794) 140.27,31.023 137.74,31.011 ccw(c137.741,30.783) 137.512,30.793
  pour cut-out: 135.429,28.197 135.429,30.637 ccw(c135.201,30.637) 135.201,30.866 132.515,30.866 ccw(c132.515,30.637) 132.287,30.629 132.374,28.24 133.011,29.44 133.011,29.811 cw(c133.487,29.811) 133.487,30.287 134.288,30.287 cw(c134.288,29.87) 134.705,29.87 134.705,29.44
  pour cut-out: 127.704,31.005 128.778,30.287 129.063,30.287 cw(c129.063,29.725) 129.625,29.725 129.625,29.44 130.413,28.141 130.349,30.643 ccw(c130.121,30.637) 130.134,30.865
  pour cut-out: 73.676,28.223 74.329,29.273 74.329,29.804 cw(c74.811,29.804) 74.811,30.286 75.614,30.286 cw(c75.614,29.861) 76.039,29.861 76.039,29.273 76.86,28.105 76.643,30.534 ccw(c76.415,30.514) 76.415,30.743 73.953,30.743 ccw(c73.953,30.514) 73.724,30.519
  pour cut-out: 68.551,28.194 69.249,29.275 69.249,29.824 cw(c69.711,29.824) 69.711,30.286 70.539,30.286 cw(c70.539,29.866) 70.959,29.866 70.959,29.275 71.817,28.101 71.563,30.538 ccw(c71.335,30.514) 71.335,30.743 68.873,30.743 ccw(c68.873,30.514) 68.644,30.523
  pour cut-out: 63.332,28.082 64.169,29.274 64.169,29.869 cw(c64.595,29.869) 64.595,30.295 65.455,30.295 cw(c65.455,29.871) 65.879,29.871 65.879,29.274 66.618,28.155 66.68,30.704 66.68,30.71 ccw(c66.451,30.71) 66.451,30.939 63.597,30.939 ccw(c63.597,30.71) 63.368,30.713
  pour cut-out: 61.599,30.699 61.6,30.71 ccw(c61.371,30.71) 61.371,30.939 53.437,30.939 ccw(c53.437,30.71) 53.208,30.715 53.151,28.086 54.009,29.274 54.009,29.659 cw(c54.645,29.659) 54.645,30.295 60.23,30.295 cw(c60.23,29.726) 60.799,29.726 60.799,29.274 61.489,28.174
Bottom Layer:
  pour cut-out: 53.154,33.333 53.208,30.705 ccw(c53.437,30.71) 53.437,30.481 58.831,30.481 ccw(c58.831,30.71) 59.06,30.71 59.056,33.304 58.259,32.147 58.259,31.609 cw(c57.774,31.609) 57.774,31.124 54.626,31.124 cw(c54.626,31.741) 54.009,31.741 54.009,32.146

## Silkscreen, mask and mechanical layers (free items; w line width, h text height)
Top Overlay:
  drawing of 129 lines, arcs and shapes, not listed
  text "+Vdc_out" at 108.619,102.346 h1
  text "G1" at 95.314,98.674 h1
  text "G2" at 103.209,98.681 h1
  text "+Vdc_in_1" at 92.669,95.393 h1
  text "+Vdc_in_2" at 100.564,95.401 h1
  text "G4" at 103.209,91.381 h1
  text "G3" at 95.314,91.374 h1
  text "-Vdc_in" at 92.769,88.293 h1
  text "-Vdc_out" at 108.719,88.246 h1
  text "H-Bridge module v1.0" at 89.803,65.917 h3
  text "Date: May-2023" at 89.803,63.483 h2
  text "Project: FONDEF ID22I10031" at 89.803,61.453 h2
  text "GD 4" at 127.961,35.246 h1
  text "GD 2" at 133.041,35.246 h1
  text "_" at 138.121,35.246 h1
  text "_" at 143.201,35.246 h1
  text "MEAS SGN" at 153.361,35.246 h1
  text "POWER" at 148.303,35.219 h1
  text "MEAS SGN" at 48.911,35.065 h1
  text "POWER" at 53.991,35.065 h1
  text "_" at 59.071,35.072 h1
  text "_" at 64.151,35.065 h1
  text "GD 1" at 69.231,35.065 h1
  text "GD 3" at 74.311,35.065 h1
  text "_" at 138.774,34.638 h1
  text "_" at 141.314,34.638 h1
  text "_" at 143.854,34.638 h1
  text "_" at 146.394,34.638 h1
  text "GATE" at 127.943,34.501 h1
  text "RDY" at 130.693,34.494 h1
  text "GATE" at 133.023,34.501 h1
  text "RDY" at 135.773,34.494 h1
  text "SGN+" at 153.316,34.501 h1
  text "SGN+" at 155.856,34.501 h1
  text "_" at 52.104,34.457 h1
  text "_" at 59.724,34.457 h1
  text "_" at 62.264,34.457 h1
  text "_" at 64.804,34.458 h1
  text "_" at 67.344,34.47 h1
  text "12V" at 148.541,34.467 h1
  text "12V" at 151.081,34.467 h1
  text "SGN+" at 48.866,34.32 h1
  text "3.3V" at 54.106,34.32 h1
  text "3.3V" at 56.646,34.32 h1
  text "GATE" at 69.213,34.321 h1
  text "RDY" at 71.963,34.327 h1
  text "GATE" at 74.293,34.321 h1
  text "RDY" at 77.043,34.327 h1
  text "_" at 141.314,33.638 h1
  text "_" at 146.394,33.638 h1
  text "GND" at 128.062,33.501 h1
  text "FLT" at 130.828,33.494 h1
  text "GND" at 133.142,33.501 h1
  text "FLT" at 135.908,33.494 h1
  text "GND" at 138.222,33.501 h1
  text "GND" at 143.302,33.501 h1
  text "SGN-" at 153.396,33.501 h1
  text "SGN-" at 155.936,33.501 h1
  text "GND" at 148.405,33.473 h1
  text "GND" at 150.945,33.473 h1
  text "_" at 52.104,33.457 h1
  text "_" at 62.264,33.457 h1
  text "_" at 67.344,33.457 h1
  text "SGN-" at 48.946,33.32 h1
  text "GND" at 54.092,33.32 h1
  text "GND" at 56.632,33.32 h1
  text "GND" at 59.172,33.32 h1
  text "GND" at 64.252,33.32 h1
  text "GND" at 69.332,33.32 h1
  text "FLT" at 72.098,33.313 h1
  text "GND" at 74.412,33.32 h1
  text "FLT" at 77.178,33.313 h1
Bottom Overlay:
  text "|" at 149.125,107.125 h0.5
  text "|" at 151.65,107.125 h0.5
  text "|" at 154.3,107.125 h0.5
  text "|" at 156.7,107.125 h0.5
  text "GND" at 158.6,107.125 h0.5
  text "|" at 159.375,107.125 h0.5
Mechanical 1:
  the board outline again, w0.254

## Dimensions
43.25,25.4 to 43.25,145.4 on Dimensions
43.25,25.4 to 163.25,25.4 on Dimensions

## Text inside footprints (layer, text, board x,y; h text height)
D1: Top Overlay "K" at 74.205,89.903 h0.5
D2: Top Overlay "K" at 131.789,85.002 h0.5 r180
D3: Top Overlay "K" at 74.582,66.697 h0.5
D4: Top Overlay "K" at 131.393,58.603 h0.5 r180
GD1: Top Overlay "S" at 74.86,84.136 h1; Top Overlay "G" at 74.86,82.136 h1; Top Overlay "S" at 74.86,80.136 h1; Top Overlay "D" at 74.86,86.127 h1; Top Overlay "___" at 46.278,85.837 h1; Top Overlay "GATE" at 45.689,83.1 h1; Top Overlay "3.3V" at 45.955,91.1 h1; Top Overlay "3.3V" at 45.955,89.1 h1; Top Overlay "RDY" at 46.107,87.094 h1; Top Overlay "FLT" at 46.376,85.091 h1; Top Overlay "GND" at 45.926,77.1 h1; Top Overlay "GND" at 45.926,75.1 h1; Top Overlay "GND" at 45.926,73.1 h1; Top Overlay "12V" at 46.198,79.094 h1; Top Overlay "12V" at 46.198,81.094 h1
GD2: Top Overlay "12V" at 159.542,94.642 h1 r180; Top Overlay "12V" at 159.542,96.642 h1 r180; Top Overlay "GND" at 159.814,102.636 h1 r180; Top Overlay "GND" at 159.814,100.636 h1 r180; Top Overlay "GND" at 159.814,98.636 h1 r180; Top Overlay "FLT" at 159.364,90.645 h1 r180; Top Overlay "RDY" at 159.633,88.642 h1 r180; Top Overlay "3.3V" at 159.785,86.636 h1 r180; Top Overlay "3.3V" at 159.785,84.636 h1 r180; Top Overlay "GATE" at 160.051,92.636 h1 r180; Top Overlay "___" at 159.462,89.899 h1 r180; Top Overlay "D" at 130.88,89.609 h1 r180; Top Overlay "S" at 130.88,95.6 h1 r180; Top Overlay "G" at 130.88,93.6 h1 r180; Top Overlay "S" at 130.88,91.6 h1 r180
GD3: Top Overlay "S" at 74.86,59.022 h1; Top Overlay "G" at 74.86,57.022 h1; Top Overlay "S" at 74.86,55.022 h1; Top Overlay "D" at 74.86,61.013 h1; Top Overlay "___" at 46.278,60.723 h1; Top Overlay "GATE" at 45.689,57.986 h1; Top Overlay "3.3V" at 45.955,65.986 h1; Top Overlay "3.3V" at 45.955,63.986 h1; Top Overlay "RDY" at 46.107,61.98 h1; Top Overlay "FLT" at 46.376,59.977 h1; Top Overlay "GND" at 45.926,51.986 h1; Top Overlay "GND" at 45.926,49.986 h1; Top Overlay "GND" at 45.926,47.986 h1; Top Overlay "12V" at 46.198,53.98 h1; Top Overlay "12V" at 46.198,55.98 h1
GD4: Top Overlay "12V" at 159.542,69.401 h1 r180; Top Overlay "12V" at 159.542,71.401 h1 r180; Top Overlay "GND" at 159.814,77.395 h1 r180; Top Overlay "GND" at 159.814,75.395 h1 r180; Top Overlay "GND" at 159.814,73.395 h1 r180; Top Overlay "FLT" at 159.364,65.404 h1 r180; Top Overlay "RDY" at 159.633,63.401 h1 r180; Top Overlay "3.3V" at 159.785,61.395 h1 r180; Top Overlay "3.3V" at 159.785,59.395 h1 r180; Top Overlay "GATE" at 160.051,67.395 h1 r180; Top Overlay "___" at 159.462,64.658 h1 r180; Top Overlay "D" at 130.88,64.368 h1 r180; Top Overlay "S" at 130.88,70.359 h1 r180; Top Overlay "G" at 130.88,68.359 h1 r180; Top Overlay "S" at 130.88,66.359 h1 r180
"LEG 1": Bottom Overlay "M1" at 84.136,87.44 h1.52 r270; Bottom Overlay "M3" at 84.39,61.786 h1.52 r270
"LEG 2": Bottom Overlay "M4" at 121.412,64.262 h1.52 r90; Bottom Overlay "M2" at 121.539,89.027 h1.52 r90
Logo: Top Overlay "POWER & ENERGY CONVERSION LABORATORY" at 90.896,69.298 h1.4
R11: Mechanical 13 "*" at 74.265,66.972 h1.27 r270
R12: Mechanical 13 "*" at 130.835,54.953 h1.27 r90
R13: Mechanical 13 "*" at 71.778,116.282 h1.27
R14: Mechanical 13 "*" at 135.197,126.185 h1.27 r180